# Allegro board MinnowMax_RevA1.brd (continued)
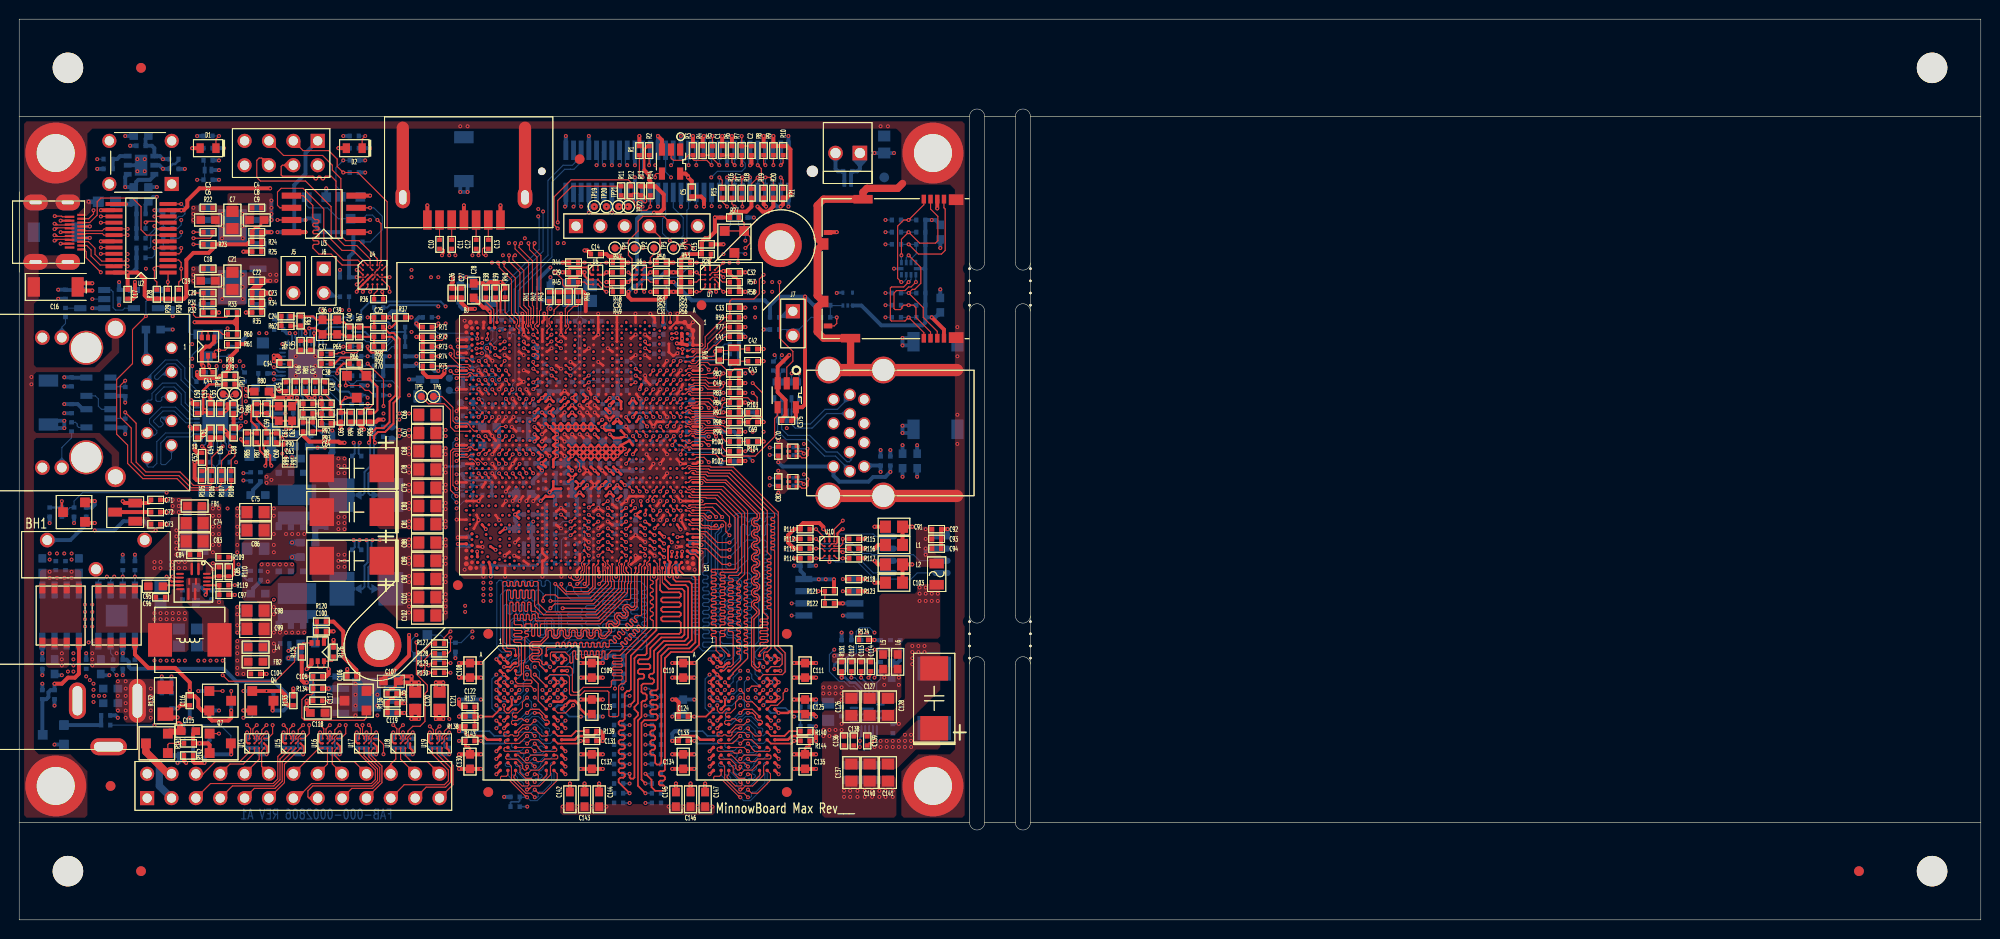
[diagram p0: board, top side]
## Routing (per net, layer and track width the routed paths; a pad name or vN(x,y) marks a point on that pad's centre or on a via; arc(x,y) is an arc through that point) (continued)
M_MA_A11: length 68.6
  TOP w0.102: MEM2.R7 76.4,15.62 75.6,15.62 v1(75.16,15.19) ; MEM1.R7 54.17,15.62 53.37,15.62 v1(52.94,15.19)
  TOP w0.173: CPU1.E51 v1(68.04,38.41)
  INT3(V) w0.157: v1(63.63,14.22) 63.41,14.22 63.25,14.06 63.25,13.76 63.41,13.6 64.35,13.6 64.52,13.76 64.52,14.57 64.68,14.73 65.41,14.73 65.79,14.35 66.17,14.35 67.18,15.37 67.18,16.26 67.56,16.64 68.31,16.64 68.72,17.04 68.72,17.63 68.46,17.89 68.46,18.12 68.72,18.38 68.72,18.62 68.46,18.88 68.46,19.17 68.69,19.41 68.69,20.71 68.46,20.95 68.46,21.45 68.72,21.71 68.72,21.95 68.46,22.21 68.46,22.44 68.72,22.7 68.72,22.94 68.46,23.2 68.46,23.49 68.69,23.72 68.69,24.62 68.46,24.86 68.46,25.2 68.71,25.44 68.71,25.69 68.46,25.94 68.46,26.19 68.71,26.43 68.71,26.68 68.46,26.93 68.46,27.3 68.69,27.53 68.69,34.94 68.21,35.43 68.21,36.13 68.71,36.63 68.71,36.96 68.04,37.62 v1(68.04,38.41)
  INT4(H) w0.157: v1(75.16,15.19) 73.36,15.19 71.88,13.72 64.77,13.72 64.26,14.22 v1(63.63,14.22) 63.25,14.22 62.36,15.11 62.04,15.11 61.41,14.48 60.96,14.48 60.65,14.79 56.71,14.79 56.26,15.24 55.88,15.24 55.43,14.79 55.19,14.79 54.74,15.24 54.36,15.24 53.91,14.79 53.34,14.79 v1(52.94,15.19)
  BOTTOM w0.102: MEM3.R7 73.97,16.1 74.07,16 74.3,16 74.39,16.09 74.57,16.09 74.68,15.99 74.68,15.85 74.49,15.67 74.49,15.47 74.78,15.19 v1(75.16,15.19) ; v1(52.94,15.19) 52.55,15.19 52.27,15.47 52.27,15.67 52.45,15.85 52.45,15.99 52.35,16.09 52.16,16.09 52.07,16 51.84,16 51.74,16.1 MEM4.R7
  BOTTOM w0.173: R348.1 v1(63.63,14.22)
M_MA_A12: length 67.4
  TOP w0.102: MEM2.N7 76.36,18.8 75.57,18.8 v1(75.16,18.39) ; v1(52.94,18.39) 53.35,18.8 54.13,18.8 MEM1.N7
  TOP w0.173: CPU1.F47 v1(68.02,39.39)
  INT3(V) w0.102: 66.59,37.58 66.59,39.16 67.06,39.62 67.36,39.62 67.79,39.62 v1(68.02,39.39)
  INT3(V) w0.157: 66.59,37.58 66.55,37.54 66.55,35.18 67.56,34.16 67.56,33.91 67.42,33.76 67.07,33.76 66.93,33.62 66.93,33.41 67.07,33.27 67.42,33.27 67.56,33.12 67.56,32.92 67.42,32.77 67.07,32.77 66.93,32.63 66.93,32.42 67.07,32.28 67.42,32.28 67.56,32.13 67.56,31.93 67.42,31.78 67.07,31.78 66.93,31.64 66.93,31.43 67.07,31.29 67.42,31.29 67.56,31.14 67.56,30.94 67.42,30.79 67.07,30.79 66.93,30.65 66.93,30.44 67.07,30.3 67.42,30.3 67.56,30.15 67.56,29.95 67.42,29.8 67.07,29.8 66.93,29.66 66.93,29.45 67.07,29.31 67.42,29.31 67.56,29.16 67.56,28.96 67.44,28.83 67.06,28.83 66.93,28.7 66.93,28.47 67.29,28.11 67.29,27.79 66.93,27.43 66.93,18.16 66.55,17.78 64.14,17.78 v1(63.63,18.29)
  INT4(H) w0.157: v1(52.94,18.39) 53.34,17.99 54.95,17.99 55.25,18.29 55.62,18.29 55.92,17.99 56.58,17.99 56.87,18.29 57.54,18.29 57.83,17.99 58.89,17.99 59.18,18.29 59.69,18.29 59.99,17.99 60.92,17.99 61.21,18.29 61.6,18.29 61.89,17.99 62.4,17.99 62.7,18.29 v1(63.63,18.29) 64.26,18.29 64.77,17.78 66.67,17.78 67.06,18.16 71.5,18.16 71.73,18.39 v1(75.16,18.39)
  BOTTOM w0.102: v1(75.16,18.39) 74.9,18.65 74.53,18.65 74.27,18.39 73.66,18.39 73.56,18.29 73.56,18.09 73.66,17.99 MEM3.N7 ; MEM4.N7 51.44,17.99 51.33,18.09 51.33,18.29 51.44,18.39 52.04,18.39 52.31,18.65 52.68,18.65 v1(52.94,18.39)
  BOTTOM w0.173: R331.1 v1(63.63,18.29)
M_MA_A13: length 70.8
  TOP w0.102: v1(75.16,14.39) 75.23,14.39 75.34,14.28 75.34,14.07 75.24,13.97 74.65,13.97 73.79,14.83 73.79,14.99 73.97,15.16 MEM2.T3 ; v1(52.94,14.39) 53,14.39 53.11,14.28 53.11,14.07 53.01,13.97 52.43,13.97 51.56,14.83 51.56,14.99 51.74,15.16 MEM1.T3 ; 66.57,35.58 66.57,36.21 66.51,36.27 66.51,37.15 CPU1.J51
  TOP w0.173: 66.57,35.58 66.42,35.43 66.42,30.23 63.75,27.56 63.75,24.04 63.59,23.88 63.37,23.88 63.12,23.62 63.12,20.95 62.94,20.77 62.63,20.77 62.48,20.63 62.48,20.42 62.63,20.28 62.97,20.28 63.12,20.13 63.12,19.93 62.97,19.78 62.63,19.78 62.48,19.64 62.48,19.43 62.63,19.29 62.97,19.29 63.12,19.14 63.12,18.94 62.97,18.79 62.63,18.79 62.48,18.65 62.48,18.44 62.63,18.3 62.97,18.3 63.12,18.15 63.12,17.95 62.97,17.8 62.63,17.8 62.48,17.66 62.48,17.45 62.63,17.31 62.97,17.31 63.12,17.16 63.12,16.96 62.97,16.81 62.63,16.81 62.48,16.67 62.48,16.46 62.63,16.32 62.97,16.32 63.12,16.17 63.12,15.97 62.97,15.82 62.63,15.82 62.48,15.68 62.48,15.47 62.63,15.33 62.97,15.33 63.12,15.18 63.12,14.97 62.97,14.83 62.65,14.83 62.48,14.66 62.48,14.35 v1(63.63,13.21)
  INT4(H) w0.157: v1(75.16,14.39) 73.44,14.39 72.26,13.21 66.04,13.21 65.65,12.82 64.65,12.82 64.26,13.21 v1(63.63,13.21) 63.12,13.21 62.61,13.72 62.23,13.72 61.85,13.34 61.47,13.34 61.09,13.72 60.71,13.72 60.33,13.34 59.94,13.34 59.56,13.72 59.18,13.72 58.8,13.34 58.42,13.34 58.04,13.72 57.66,13.72 57.28,13.34 56.9,13.34 56.24,13.99 53.34,13.99 v1(52.94,14.39)
  BOTTOM w0.102: MEM4.T3 54.94,14.93 53.98,13.97 53.36,13.97 v1(52.94,14.39) ; MEM3.T3 77.16,14.93 76.2,13.97 75.58,13.97 v1(75.16,14.39)
  BOTTOM w0.173: R351.1 v1(63.63,13.21)
M_MA_A14: length 68.3
  TOP w0.102: MEM2.T7 77.23,15.53 77.23,15.13 76.65,14.55 76.43,14.55 76.33,14.65 76.33,15.09 76.23,15.19 v1(75.97,15.19) ; MEM1.T7 55,15.53 55,15.13 54.43,14.55 54.2,14.55 54.1,14.65 54.1,15.09 54,15.19 v1(53.74,15.19)
  TOP w0.173: CPU1.B49 69.99,38.15 70.44,38.15 70.87,37.72 70.87,28.7 70.1,27.94 67.94,27.94 67.31,27.3 67.31,15.66 67.16,15.51 66.82,15.51 66.67,15.37 66.67,15.16 66.82,15.02 67.16,15.02 67.31,14.87 67.31,14.67 67.16,14.52 66.82,14.52 66.67,14.38 66.67,14.17 66.82,14.03 67.16,14.03 67.31,13.88 67.31,13.63 67.14,13.46 66.29,13.46 65.91,13.84 65.91,14.61 v1(65.28,15.24)
  INT7(H) w0.157: v1(75.97,15.19) 75.56,14.79 74.8,14.79 74.1,15.49 72.9,15.49 72.19,14.79 71.57,14.79 71.12,15.24 67.82,15.24 67.31,15.75 65.79,15.75 v1(65.28,15.24) 64.52,15.24 63.89,14.61 54.32,14.61 v1(53.74,15.19)
  BOTTOM w0.102: v1(53.74,15.19) 53.32,14.77 52.56,14.77 MEM4.T7 ; MEM3.T7 74.78,14.77 75.55,14.77 v1(75.97,15.19)
  BOTTOM w0.173: R343.1 v1(65.28,15.24)
M_ODT_A0: length 78.2
  TOP w0.173: v1(71.96,20.79) 72.36,20.39 MEM2.K1 ; v1(49.74,20.79) MEM1.K1 ; CPU1.T41 v1(63.26,42.98)
  INT3(V) w0.157: v1(56.94,20.79) 57.37,21.22 57.37,21.69 57.15,21.91 55.05,21.91 54.57,22.39 v1(53.74,22.39) ; v1(75.97,22.39) 75.97,22.31 75.63,21.97 74.71,21.97 74.55,21.81 74.55,21.33 74.38,21.16 72.34,21.16 v1(71.96,20.79)
  INT7(H) w0.157: v1(49.74,20.79) 51.74,22.79 53.34,22.79 v1(53.74,22.39) 54.14,22.79 57.21,22.79 59.05,24.64 60.75,24.64 61.13,25.02 64.39,25.02 v1(65.28,24.13) 66.17,24.13 66.8,23.5 68.2,23.5 68.46,23.23 68.46,22.98 68.58,22.86 68.79,22.86 68.93,23.01 68.93,23.35 69.08,23.5 69.28,23.5 69.43,23.35 69.43,23.01 69.57,22.86 69.78,22.86 69.92,23.01 69.92,23.19 70.23,23.5 70.74,23.5 71.44,22.79 75.56,22.79 v1(75.97,22.39) 76.8,22.39 77.22,21.97 79.31,21.97 79.59,21.69 79.59,21.22 v1(79.16,20.79)
  INT8(V) w0.102: v1(63.26,42.98) 63.63,42.61 64.41,42.61 65.1,41.92 65.39,41.92 66.04,41.27
  INT8(V) w0.157: v1(65.28,24.13) 65.28,23.75 65.53,23.5 65.81,23.5 65.96,23.65 65.96,23.98 66.1,24.13 66.31,24.13 66.45,23.98 66.45,23.65 66.6,23.5 66.8,23.5 66.95,23.65 66.95,23.98 67.09,24.13 67.3,24.13 67.44,23.98 67.44,23.64 67.59,23.5 67.94,23.5 68.58,24.13 68.58,35.18 68.2,35.56 68.2,37.47 67.65,38.02 67.65,40.3 66.67,41.27 66.04,41.27
  BOTTOM w0.173: MEM4.K1 v1(56.94,20.79) ; MEM3.K1 78.77,20.39 v1(79.16,20.79) ; v1(65.28,24.13) 65.66,24.13 65.95,23.84 R311.1
M_RAS_A_L: length 69.1
  TOP w0.102: MEM2.J3 73.74,21.19 73.63,21.29 73.63,21.49 73.74,21.59 74.17,21.59 74.68,22.1 74.68,22.7 v1(75.16,23.19) ; MEM1.J3 51.51,21.19 51.41,21.29 51.41,21.49 51.51,21.59 51.94,21.59 52.45,22.1 52.45,22.7 v1(52.94,23.19)
  TOP w0.173: CPU1.M45 v1(65.24,40.13)
  INT4(H) w0.157: v1(52.94,23.19) 53.34,22.79 54.3,22.79 55.12,21.97 58.69,21.97 58.94,22.23 59.35,22.23 59.6,21.97 60.01,21.97 60.26,22.23 60.67,22.23 60.92,21.97 61.33,21.97 61.58,22.23 61.99,22.23 62.24,21.97 62.61,21.97 62.93,22.29 62.93,22.67 v1(63.63,23.37) 64.01,22.99 65.79,22.99 66.29,22.48 71.12,22.48 71.63,21.97 73.95,21.97 v1(75.16,23.19)
  INT8(V) w0.102: v1(65.24,40.13) 65.6,39.78 65.6,37.66 65.41,37.47
  INT8(V) w0.157: 65.4,37.46 65.4,31.62 63.75,29.97 63.5,29.97 63.37,29.84 63.37,29.65 63.52,29.5 64.47,29.5 64.61,29.36 64.61,29.15 64.47,29.01 62.88,29.01 62.74,28.86 62.74,28.66 62.88,28.51 64.47,28.51 64.61,28.37 64.61,28.16 64.47,28.02 62.88,28.02 62.74,27.87 62.74,27.67 62.88,27.52 64.47,27.52 64.61,27.38 64.61,27.17 64.47,27.03 62.88,27.03 62.74,26.88 62.74,26.68 62.88,26.53 64.47,26.53 64.61,26.39 64.61,26.18 64.47,26.03 63.97,26.03 63.63,25.69 v1(63.63,23.37)
  BOTTOM w0.102: MEM3.J3 76.38,21.97 75.82,21.97 75.61,22.18 75.61,22.75 v1(75.16,23.19) ; v1(52.94,23.19) 53.38,22.75 53.38,22.18 53.59,21.97 54.16,21.97 MEM4.J3
  BOTTOM w0.173: R315.1 v1(63.63,23.37)
M_WE_A_L: length 69.5
  TOP w0.102: v1(53.74,20.79) 53.3,20.35 52.5,20.35 MEM1.L3 ; v1(75.97,20.79) 75.52,20.35 74.72,20.35 MEM2.L3 ; CPU1.H51 66.77,36.91 66.71,36.85 66.71,36.58 66.81,36.48 66.81,34.92
  TOP w0.173: 66.81,34.92 66.81,34.41 67.04,34.18 68.8,34.18 68.96,34.01 68.96,33.77 68.82,33.62 67.07,33.62 66.93,33.48 66.93,33.27 67.07,33.13 68.82,33.13 68.96,32.98 68.96,32.78 68.82,32.63 67.07,32.63 66.93,32.49 66.93,32.28 67.07,32.14 68.82,32.14 68.96,31.99 68.96,31.79 68.82,31.64 67.07,31.64 66.93,31.5 66.93,31.29 67.08,31.15 68.82,31.15 68.96,31 68.96,30.01 68.8,29.84 66.67,29.84 65.41,28.58 65.41,27.79 65.24,27.62 64.45,27.62 64.13,27.3 64.13,22.85 v1(63.63,22.35)
  INT7(H) w0.157: v1(53.74,20.79) 54.03,21.08 55.24,21.08 55.94,20.39 57.58,20.39 57.78,20.59 57.78,20.81 57.92,20.95 58.13,20.95 58.27,20.81 58.27,20.59 58.42,20.44 58.62,20.44 58.77,20.59 58.77,20.81 58.91,20.95 59.12,20.95 59.26,20.81 59.26,20.59 59.41,20.44 59.61,20.44 59.76,20.59 59.76,20.81 59.9,20.95 60.11,20.95 60.25,20.81 60.25,20.59 60.45,20.39 61.03,20.39 62.48,21.84 63.12,21.84 v1(63.63,22.35) 64.01,21.96 65.79,21.96 66.94,20.82 71.25,20.82 71.68,20.39 75.57,20.39 v1(75.97,20.79)
  BOTTOM w0.102: MEM3.L3 77.4,19.59 77.5,19.69 77.5,19.91 77.4,20.01 77.02,20.01 76.24,20.79 v1(75.97,20.79) ; v1(53.74,20.79) 54.01,20.79 54.79,20.01 55.17,20.01 55.28,19.91 55.28,19.69 55.17,19.59 MEM4.L3
  BOTTOM w0.173: R316.1 v1(63.63,22.35)
M_ZQ1: length 3.8
  TOP w0.173: R140.1 80.26,19.69 79.77,19.19 78.37,19.19 MEM2.L8
M_ZQ2: length 3.8
  BOTTOM w0.173: R327.1 71.25,19.69 71.74,19.19 72.76,19.19 MEM3.L8
M_ZQ3: length 3.8
  TOP w0.173: R139.1 58.04,19.69 57.54,19.19 56.14,19.19 MEM1.L8
M_ZQ4: length 3.8
  BOTTOM w0.173: MEM4.L8 50.54,19.19 49.52,19.19 49.02,19.69 R332.1
MCSI_RCOMP: length 2.4
  TOP w0.114: CPU1.P14 v1(64.25,56.08)
  BOTTOM w0.102: v1(64.25,56.08) 63.88,56.45 63.88,57.15 63.75,57.28 R213.1
MDI_N0: length 9.1
  BOTTOM w0.102: J8.10 13.34,47.37 13.46,47.24 13.97,47.24 14.35,47.62 14.35,49.91 15.24,50.8 17.78,50.8 18.05,51.07 LAN1.2
MDI_N1: length 9
  BOTTOM w0.102: LAN1.5 17.54,52.27 16.32,53.49 14.82,53.49 13.59,52.26 13.59,51.82 14.35,51.05 14.35,50.8 14.1,50.55 13.44,50.55 13.34,50.65 J8.8
MDI_N2: length 9
  BOTTOM w0.102: J8.6 13.34,54.13 13.44,54.23 13.74,54.23 13.84,54.33 13.84,54.93 14.92,56.01 16.32,56.01 16.56,55.77 16.56,55.77 17.3,55.03 17.3,53.95 18.17,53.08 18.52,53.08 18.52,53.07 LAN1.7
MDI_N3: length 10.2
  BOTTOM w0.102: LAN1.10 19.45,54.33 17.27,56.5 17.27,57.6 16.45,58.42 15.24,58.42 13.72,56.9 13.72,56.26 J8.4
MDI_P0: length 9.1
  BOTTOM w0.102: LAN1.1 18.22,50.67 17.95,50.39 15.41,50.39 14.76,49.74 14.76,47.6 14.86,47.5 15.24,47.5 15.88,48.13 J8.9
MDI_P1: length 9.1
  BOTTOM w0.102: J8.7 15.88,52.32 15.76,52.44 14.85,52.44 14.73,52.32 14.73,52.07 14.99,51.82 14.99,51.66 14.76,51.44 14.54,51.44 14.01,51.97 14.01,52.11 14.99,53.09 16.15,53.09 17.37,51.86 18.52,51.86 18.52,51.87 LAN1.4
MDI_P2: length 9.1
  BOTTOM w0.102: J8.5 14.99,54.61 14.86,54.48 14.86,54.23 14.73,54.1 14.35,54.1 14.25,54.2 14.25,54.76 15.09,55.6 16.15,55.6 16.89,54.86 16.89,53.78 18,52.67 LAN1.6
MDI_P3: length 10.2
  BOTTOM w0.102: LAN1.9 19.04,54 19.04,54.16 16.87,56.34 16.87,57.43 16.28,58.01 15.41,58.01 14.12,56.73 14.12,56.52 14.24,56.4 14.45,56.4 14.95,56.9 15.62,56.9 J8.3
MMC1_RCOMP: length 1.3
  TOP w0.114: CPU1.AY18 v1(50.73,54.37)
  BOTTOM w0.114: v1(50.73,54.37) 50.58,54.21 R240.2
MPCIE_CLKREQ3_B: length 33.2
  TOP w0.102: CPU1.BE3 v1(48.77,60.58)
  TOP w0.114: R2.1 v1(65.66,78.74)
  INT8(V) w0.102: v1(65.66,78.74) 64.77,79.63 60.45,79.63 58.93,78.1 58.93,71.63 56.26,68.96 56.26,67.31 55.37,66.42 54.61,66.42 v1(48.77,60.58)
  BOTTOM w0.114: v1(65.66,78.74) 65.78,78.86 J10.24
MPCIE_REFCLK_N: length 20.6
  TOP w0.102: CPU1.AM4 v1(55.49,61.06)
  INT3(V) w0.099: v1(55.49,61.06) 55.49,60.87 55.37,60.75 55.07,60.75 54.36,61.47 54.36,64.71 55.67,66.02 56.43,66.02 58.17,67.75 58.17,70.68 59.84,72.35 59.84,72.73 60.6,73.49 60.6,74.21 60.8,74.4 61.2,74.4 v1(61.21,74.42)
  BOTTOM w0.102: v1(61.21,74.42) 60.98,74.42 60.77,74.63 60.77,75.69 J10.11
MPCIE_REFCLK_P: length 20.7
  TOP w0.102: CPU1.AM6 v1(55.49,60.35)
  INT3(V) w0.099: v1(55.49,60.35) 54.9,60.35 53.95,61.3 53.95,64.87 55.5,66.42 56.26,66.42 57.76,67.92 57.76,70.84 59.44,72.52 59.44,72.9 60.2,73.66 60.2,74.17 v1(59.94,74.42)
  BOTTOM w0.102: v1(59.94,74.42) 60.18,74.42 60.36,74.61 60.36,75.72 J10.9
MPCIE_RX_N: length 28.6
  TOP w0.102: CPU1.AP7 v1(53.58,59.64)
  INT8(V) w0.099: v1(53.58,59.64) 54.36,60.41 54.36,60.68 54.36,62.23 59.69,67.56 59.69,67.73 59.69,68.39 62.55,71.25 63.25,71.25 64.11,72.11 64.11,75.52 62.18,77.46 62.18,78.94 62.36,79.12 63,79.12 v1(63.38,78.74)
  BOTTOM w0.102: J10.18 63.18,80.11 63.18,78.94 v1(63.38,78.74)
MPCIE_RX_P: length 28.6
  TOP w0.102: CPU1.AP9 54.14,58.68 54.12,58.82 53.8,59.06 53.66,59.04 v1(53.58,58.93)
  INT8(V) w0.099: v1(53.58,58.93) 53.7,58.81 53.88,58.81 53.98,58.91 53.98,59.46 54.76,60.25 54.76,60.85 54.76,62.06 60.09,67.4 60.09,67.9 60.09,68.22 62.72,70.84 63.41,70.84 64.52,71.95 64.52,75.69 62.58,77.63 v1(62.58,78.74)
  BOTTOM w0.102: J10.16 62.78,80.11 62.78,78.94 v1(62.58,78.74)
MPCIE_TX_N: length 20.8
  TOP w0.102: CPU1.AP4 v1(53.58,61.06)
  INT8(V) w0.099: v1(63.38,74.42) 63.38,74.54 63.25,74.68 63.08,74.68 62.98,74.58 62.98,73.59 62.1,72.71 62.1,71.69 59.48,69.07 58.71,69.07 58.06,68.41 58.06,67.21 53.49,62.63 53.49,61.15 v1(53.58,61.06)
  BOTTOM w0.102: v1(63.38,74.42) 63.18,74.62 63.18,75.71 J10.17
MPCIE_TX_P: length 20.9
  TOP w0.102: CPU1.AP6 v1(53.58,60.35)
  INT8(V) w0.099: v1(53.58,60.35) 53.09,60.84 53.09,62.8 57.66,67.37 57.66,68.58 58.55,69.47 59.31,69.47 61.7,71.86 61.7,72.54 61.7,72.88 62.58,73.76 v1(62.58,74.42)
  BOTTOM w0.102: J10.15 62.78,75.71 62.78,74.62 v1(62.58,74.42)
MPCIE_WAKEB: length 39.9
  TOP w0.114: v1(64.98,77.47) 64.64,77.81 R1.1 ; CPU1.A17 71.98,54.39 72.39,53.97 73.03,53.97 v1(73.41,54.36)
  INT7(H) w0.102: v1(73.03,74.42) 70.74,76.71 65.79,76.71 65.02,77.47 v1(64.98,77.47)
  INT8(V) w0.102: v1(73.03,74.42) 74.93,72.52 74.93,69.22 75.31,68.83 75.31,68.33 74.68,67.69 74.68,55.63 v1(73.41,54.36)
  BOTTOM w0.114: J10.22 v1(64.98,77.47)
MSATA_RX_N: length 21.1
  BOTTOM w0.114: C177.1 52.02,62.88 52.02,65.65 55.54,69.17 55.54,76.98 56.88,78.32 57.48,78.32 57.83,78.32 58.38,78.87 58.38,80.11 J10.6
MSATA_RX_P: length 21.1
  BOTTOM w0.114: C178.1 51.6,62.87 51.6,65.82 55.12,69.34 55.12,77.16 56.7,78.74 57.66,78.74 57.96,79.05 57.96,80.12 J10.4
MSATA_TX_N: length 20
  INT7(H) w0.099: v1(54.1,73.41) 57.98,73.41 58.58,74.01 v1(58.58,74.42)
  BOTTOM w0.102: v1(58.58,74.42) 58.37,74.63 58.37,75.69 J10.5
  BOTTOM w0.114: v1(54.1,73.41) 54.19,73.32 54.19,69.94 50.63,66.38 50.63,63.76 50.5,63.63 50,63.63 49.53,63.15 49.53,62.83 C180.1
MSATA_TX_P: length 19.9
  INT7(H) w0.099: v1(57.78,74.42) 57.9,74.54 58.07,74.54 58.17,74.44 58.17,74.17 57.81,73.81 54.71,73.81 v1(54.61,73.91)
  BOTTOM w0.102: J10.3 57.96,75.72 57.96,74.6 v1(57.78,74.42)
  BOTTOM w0.114: v1(54.61,73.91) 54.61,69.77 51.05,66.21 51.05,63.59 50.68,63.21 50.18,63.21 49.95,62.98 49.95,62.82 50.2,62.58 C179.1
Net_1052: length 1.9
  BOTTOM w0.114: 75.02,51.94 75.44,51.94 v1(76.45,50.93)
NTC: length 3.4
  BOTTOM w0.203: R229.2 34.32,55.12 33.4,55.12 32.89,55.63 32.89,56.13 32.64,56.38 U27.9
NTC_R: length 35.4
  INT7(H) w0.203: v1(22.86,37.08) 23.11,37.08 23.37,37.34 23.37,43.81 20.45,46.74 20.45,49.91 21.08,50.55 21.97,50.55 22.59,51.17 23.86,51.17 24.89,52.2 34.04,52.2 v1(36.32,54.48)
  BOTTOM w0.203: v1(22.86,37.08) 23.53,36.42 R287.2 ; R244.2 35.65,53.85 R229.1 36.07,54.74 v1(36.32,54.48)
NTCG: length 2.8
  BOTTOM w0.203: U27.35 29.65,60.65 29.44,60.86 29.44,61.57 29.62,61.76 R203.2
NTCG_R: length 26.6
  INT3(V) w0.203: v1(23.37,45.85) 22.86,46.36 22.86,46.86 23,47 23,49.03 23.75,49.78 23.75,51.31 24.38,51.94 24.38,58.55 26.29,60.45 26.29,62.36 27.56,63.63 v1(31.62,63.63)
  BOTTOM w0.203: v1(23.37,45.85) 24.04,45.85 R272.2 ; v1(31.62,63.63) 31.62,62.96 R202.2 R203.1
PB_RES: length 2
  BOTTOM w0.114: U35.3 9.53,27.81 9.78,27.56 R308.1
PCIE_CLK-N2: length 41.3
  TOP w0.102: CPU1.AK4 55.92,60.61 55.92,60.46 56.09,60.29 56.42,60.29 v1(56.48,60.35)
  INT7(H) w0.099: v1(56.48,60.35) 56.48,60.34 56.01,59.87 56.01,59.31 54.61,57.91 54.61,57.66 54.23,57.28 53.95,57 47.16,57 46.29,56.13 43.77,56.13 43.43,56.13 43.31,56.01 39.73,56.01 39.1,56.64 38.77,56.64 32.78,56.64 31.51,55.37 29.97,55.37 29.44,54.84 29.44,54.21 28.85,53.61 22.59,53.61 21.99,54.21 21.99,54.51 v1(22.23,54.74)
  BOTTOM w0.102: v1(22.23,54.74) 21.85,54.36 LAN1.16
PCIE_CLK-P2: length 41.4
  TOP w0.102: CPU1.AK6 55.98,59.99 v1(56.48,59.64)
  INT7(H) w0.099: v1(56.48,59.64) 56.48,59.21 55.01,57.74 55.01,57.49 54.64,57.12 54.12,56.6 51.1,56.6 50.99,56.71 47.43,56.71 46.46,55.73 43.6,55.73 43.47,55.6 39.56,55.6 38.93,56.23 32.95,56.23 31.68,54.97 30.14,54.97 29.84,54.67 29.84,54.04 29.02,53.21 22.42,53.21 21.59,54.04 v1(21.59,54.74)
  BOTTOM w0.102: LAN1.15 21.45,54.59 v1(21.59,54.74)
PCIE_RCOMP_N: length 1.4
  TOP w0.102: CPU1.AP13 v1(53.58,56.08)
  BOTTOM w0.102: R218.2 54.01,55.88 53.78,55.88 v1(53.58,56.08)
PCIE_RCOMP_P: length 1.3
  TOP w0.102: CPU1.AP14 v1(53.58,55.37)
  BOTTOM w0.102: v1(53.58,55.37) 54.01,55.37 R218.1
PCIE_RXN2: length 34.8
  TOP w0.102: v1(53.58,58.22) 53.62,57.96 53.87,57.77 54.01,57.79 CPU1.AP10
  INT7(H) w0.099: v1(53.58,58.22) 53.36,57.99 47.55,57.99 47.45,58.09 42.85,58.09 42.42,57.66 35.31,57.66 35.05,57.91 32.51,57.91 30.99,56.39 27.05,56.39 26.69,56.03 26.01,56.03 25.15,56.9 23.37,56.9 23.06,57.21 23.06,57.74 23.16,57.84 23.31,57.84 v1(23.37,57.78)
  BOTTOM w0.102: v1(23.37,57.78) 23.19,57.61 23.19,57.42 C205.2
PCIE_RXP2: length 34.9
  TOP w0.102: v1(53.58,57.5) CPU1.AP12
  INT7(H) w0.099: v1(22.61,57.78) 22.65,57.74 22.65,57.04 23.2,56.49 24.98,56.49 25.84,55.63 26.86,55.63 27.22,55.98 31.16,55.98 32.68,57.51 34.88,57.51 35.14,57.25 42.59,57.25 43.01,57.68 53.4,57.68 v1(53.58,57.5)
  BOTTOM w0.102: C206.2 22.78,57.42 22.78,57.61 v1(22.61,57.78)
PCIE_TXN2: length 36.2
  TOP w0.102: CPU1.AT6 53.04,59.95 52.89,59.93 52.58,60.16 52.56,60.3 v1(52.59,60.35)
  INT7(H) w0.099: v1(21.34,57.78) 21.34,58.42 21.46,58.55 21.6,58.55 21.73,58.42 21.84,58.42 22.48,59.06 25.27,59.06 25.88,59.67 32.23,59.67 33.15,60.58 37.15,60.58 37.53,60.2 41.91,60.2 43.3,61.59 50.55,61.59 52.1,60.04 52.49,60.04 52.59,60.14 v1(52.59,60.35)
  BOTTOM w0.102: v1(21.34,57.78) 21.16,57.61 21.16,57.42 C207.2
PCIE_TXP2: length 36.3
  TOP w0.102: v1(52.59,59.64) CPU1.AT7
  INT7(H) w0.099: v1(52.59,59.64) 51.93,59.64 50.38,61.19 43.47,61.19 42.08,59.79 37.36,59.79 36.98,60.18 33.32,60.18 32.4,59.26 26.12,59.26 25.74,58.89 25.5,58.65 22.65,58.65 21.84,57.85 21.84,57.72 21.5,57.38 20.98,57.38 v1(20.57,57.78)
  BOTTOM w0.102: v1(20.57,57.78) 20.75,57.61 20.75,57.42 C208.2
PCU_SMB_ALERT: length 4.5
  TOP w0.102: CPU1.BG11 47.25,57.4 46.97,57.4 46.71,57.66 45.72,57.66 45.59,57.78 45.09,57.78
  TOP w0.114: R75.2 45.09,57.78
PCU_SMB_BUFF_ENB: length 2.3
  TOP w0.114: U5.C2 61.09,66.04 61.77,66.04 61.88,65.93 R49.2
PCU_SMB_CLK: length 30
  TOP w0.102: CPU1.BH10 46.83,57.95 45.81,57.95 45.09,58.67
  TOP w0.114: v1(44.96,59.06) 44.96,58.8 45.09,58.67 ; v1(55.88,67.56) 56.64,66.8 56.64,66.29 56.9,66.04 58.17,66.04 58.26,66.13 R45.2 58.93,66.55 59.17,66.31 59.82,66.31
  INT3(V) w0.102: v1(44.96,59.06) 43.05,60.96 43.05,66.42 v1(43.69,67.06)
  INT4(H) w0.102: v1(43.69,67.06) 44.7,68.07 54.74,68.07 55.24,67.56 v1(55.88,67.56)
PCU_SMB_DATA: length 34.9
  TOP w0.102: CPU1.BG12 47.4,56.82 47.11,57.11 46.87,57.11 46.66,56.9 45.34,56.9 45.09,57.15
  TOP w0.114: U5.D2 61.09,65.53 v1(61.21,65.53) ; v1(44.96,57.28) 45.09,57.15
  INT3(V) w0.102: v1(42.93,67.06) 42.67,66.8 42.67,60.33 44.96,58.04 v1(44.96,57.28)
  INT4(H) w0.102: v1(42.93,67.06) 43.31,66.67 49.4,66.67 49.66,66.93 50.67,66.93 50.93,66.67 60.07,66.67 v1(61.21,65.53)
  BOTTOM w0.114: R177.2 v1(61.21,65.53)
PCU_UART3_RXD: length 22.5
  TOP w0.114: U6.D2 64.89,65.79 v1(65.15,65.53) ; CPU1.BC16 v1(49.31,55.36)
  INT8(V) w0.102: v1(49.31,55.36) 49.69,55.74 57.01,55.74 60.83,59.56 60.83,61.21 v1(65.15,65.53)
PCU_UART3_TXD: length 20.9
  TOP w0.114: CPU1.BD14 v1(48.6,56.35) ; 64.39,66.31 64.39,65.66 v1(64.26,65.53)
  INT8(V) w0.102: v1(64.26,65.53) 63.63,64.9 62.86,64.9 60.58,62.61 59.94,62.61 54.1,56.77 49.02,56.77 48.6,56.35 v1(48.6,56.35)
PHASE1: length 27.5
  INT3(V) w0.406: v1(26.54,57.02) 26.66,57.02 27.06,56.62 27.06,56.02 26.42,55.37
  INT3(V) w0.635: v1(26.54,33.4) 24.51,35.43 24.51,37.72 25.02,38.23 25.02,47.75 26.04,48.77 26.04,50.93 26.29,51.18 26.29,55.25 26.42,55.37
  BOTTOM w0.203: v1(26.54,57.02) 26.78,56.79 U27.23
  BOTTOM w0.406: v1(26.54,57.02) C204.2
PHASEG: length 23.3
  INT3(V) w0.406: 28.19,61.59 v1(28.19,61.21)
  INT3(V) w0.635: v1(32.64,51.05) 32.64,51.82 33.15,52.32 33.15,54.99 32.38,55.75 32.38,60.58 30.61,62.36 28.96,62.36 28.19,61.59
  BOTTOM w0.203: U27.32 28.44,60.96 v1(28.19,61.21)
  BOTTOM w0.406: C190.2 27.91,61.21 v1(28.19,61.21) ; 32.64,50.8 v1(32.64,51.05)
  BOTTOM w0.635: 32.51,45.46 32.51,48.64 32.64,48.77 32.64,50.8
PMC_ACPRESENT: length 1.7
  TOP w0.114: CPU1.D20 v1(68.95,52.46)
  BOTTOM w0.102: R236.1 69.09,52.96 68.96,52.83 68.96,52.48 v1(68.95,52.46)
PMC_BATLOW: length 1.4
  TOP w0.114: CPU1.K26 v1(66.11,50.48)
  BOTTOM w0.102: R256.1 65.95,50.32 v1(66.11,50.48)
PMC_CORE_PWROK: length 23.1
  TOP w0.102: 71.75,61.09 71.5,60.83 71.5,59.82 71.25,59.56 70.41,59.56 70.37,59.61 70.1,59.61 69.87,59.38 CPU1.B7
  TOP w0.114: R16.1 74.3,74.71 v1(74.58,74.42) ; v1(77.6,67.31) 77.15,66.87 77.15,65.34 76.58,64.77 74.3,64.77 74.07,64.55 C33.1 R59.1 73.53,62.86 71.75,61.09
  INT8(V) w0.102: 74.82,74.18 v1(74.58,74.42)
  INT8(V) w0.114: v1(77.6,67.31) 76.71,68.2 76.71,72.29 74.82,74.18
PMC_OE: length 2.4
  TOP w0.089: 72.26,67.06 72.64,67.06 ; U7.C2 72.01,66.81
  TOP w0.114: 72.64,67.06 72.8,67.06 73.31,66.55 R57.2 ; 72.01,66.81 72.26,67.06
PMC_PCIE_WAKE: length 73.1
  TOP w0.114: 75.56,71.88 75.56,72.74 R27.1 ; 75.56,71.88 D3.2 ; 75.56,71.88 76.2,71.25 76.2,70.61 v1(75.69,70.1)
  INT3(V) w0.102: v1(33.66,63.63) 33.15,64.14 27.05,64.14 24.64,61.72 24.64,59.56 24,58.93 24,52.32 v1(23.62,51.94)
  INT7(H) w0.102: v1(75.69,70.1) 74.55,68.96 74.55,67.56 73.53,66.55 70.23,66.55 69.6,65.91 60.83,65.91 60.2,65.28 39.62,65.28 38.48,64.14 34.16,64.14 v1(33.66,63.63)
  BOTTOM w0.114: v1(23.62,51.94) 22.86,51.94 22.79,51.87 LAN1.21
PMC_PCIE_WAKE_R: length 31.3
  TOP w0.114: D3.3 74.93,69.22 v1(74.93,68.58) ; CPU1.F26 v1(68.24,50.48)
  INT8(V) w0.102: v1(68.24,50.48) 68.68,50.04 69.09,50.04 71.5,52.45 71.5,53.85 73.03,55.37 73.66,55.37 74.3,56.01 74.3,67.94 v1(74.93,68.58)
  BOTTOM w0.114: R253.1 73.53,49.91 73.28,49.66 73.28,49.4 73.02,49.14 69.86,49.14 69.6,49.4 68.83,49.4 68.24,50 v1(68.24,50.48)
PMC_PLTRST_L: length 63.5
  TOP w0.114: U7.D1 71.51,66.05 70.99,65.53 v1(70.61,65.53) R56.2
  INT3(V) w0.102: v1(23.62,52.83) 22.99,53.47 22.99,55.12 21.72,56.39 v1(21.72,61.72)
  INT7(H) w0.102: v1(70.61,65.53) 69.6,64.52 39.88,64.52 38.61,63.25 36.07,63.25 35.69,62.86 24.64,62.86 24.13,62.36 22.35,62.36 v1(21.72,61.72)
  BOTTOM w0.114: v1(23.62,52.83) 22.97,52.83 22.8,52.67 LAN1.19
PMC_PLTRST_R_V1P8: length 27.9
  TOP w0.114: U7.D3 72.51,65.67 v1(72.64,65.53) ; v1(75.38,74.42) 75.38,75.28 R17.1 ; CPU1.F20 v1(68.24,52.46)
  INT3(V) w0.102: v1(75.38,74.42) 75.38,71.7 73.66,69.98 73.15,69.98 72.64,69.47 v1(72.64,65.53) 72.64,63.25 70.23,60.83 70.23,56.52 69.6,55.88 69.6,53.34 69.21,52.96 68.73,52.96 v1(68.24,52.46)
PMC_PWRBTN: length 35.4
  TOP w0.114: CPU1.J26 v1(66.82,50.48)
  INT4(H) w0.102: v1(77.6,50.93) 77.09,50.42 74.17,50.42 73.75,50.84 67.17,50.84 v1(66.82,50.48)
  INT8(V) w0.102: v1(77.6,50.93) 77.22,51.31 77.22,66.8 76.33,67.69 76.33,70.23 v1(75.69,70.87)
  BOTTOM w0.114: R161.1 74.96,72.48 75.69,71.75 v1(75.69,70.87)
PMC_RSMRST: length 126
  TOP w0.102: CPU1.B10 70.62,57.79 70.99,58.17 71.75,58.17
  TOP w0.114: v1(76.45,57.02) 75.95,57.53 74.57,57.53 74.39,57.35 74.39,57.34 R82.1 ; R15.1 73.28,74.92 v1(73.78,74.42) ; R82.1 73.19,57.91 72.01,57.91 71.75,58.17 ; R82.1 C49.1 R83.1 ; D6.3 v1(22.1,23.88)
  INT4(H) w0.102: v1(76.45,57.02) 76.07,57.4 73.28,57.4 72.9,57.02 72.01,57.02 71.75,56.77 66.29,56.77 65.95,56.42 55.28,56.42 53.85,54.99 41.02,54.99 36.58,59.44 36.2,59.44 32.38,63.25 27.43,63.25 26.16,61.98 26.16,58.75 23.24,55.83 23.24,53.21 22.61,52.58 22.61,48.51 22.1,48.01 22.1,43.31 v1(21.72,42.93)
  INT8(V) w0.102: v1(76.45,57.02) 76.45,61.47 76.07,61.85 76.07,68.83 75.82,69.09 75.56,69.09 75.31,69.34 75.31,72.89 v1(73.78,74.42) ; v1(21.72,42.93) 22.1,42.55 v1(22.1,23.88)